# Altium PCB CU-ON-OFF-V2-08-11-18.PcbDoc (part 13 of 14)
Units mm, origin at the board's own origin, x right, y up, seen from the top; angles counter-clockwise.
Board outline 213 x 122.62 mm, 2 copper layers (Top Layer, Bottom Layer); 304 components, 53 nets, 991 pads, 702 vias.
Unrouted connection lines stored in the file: 1.
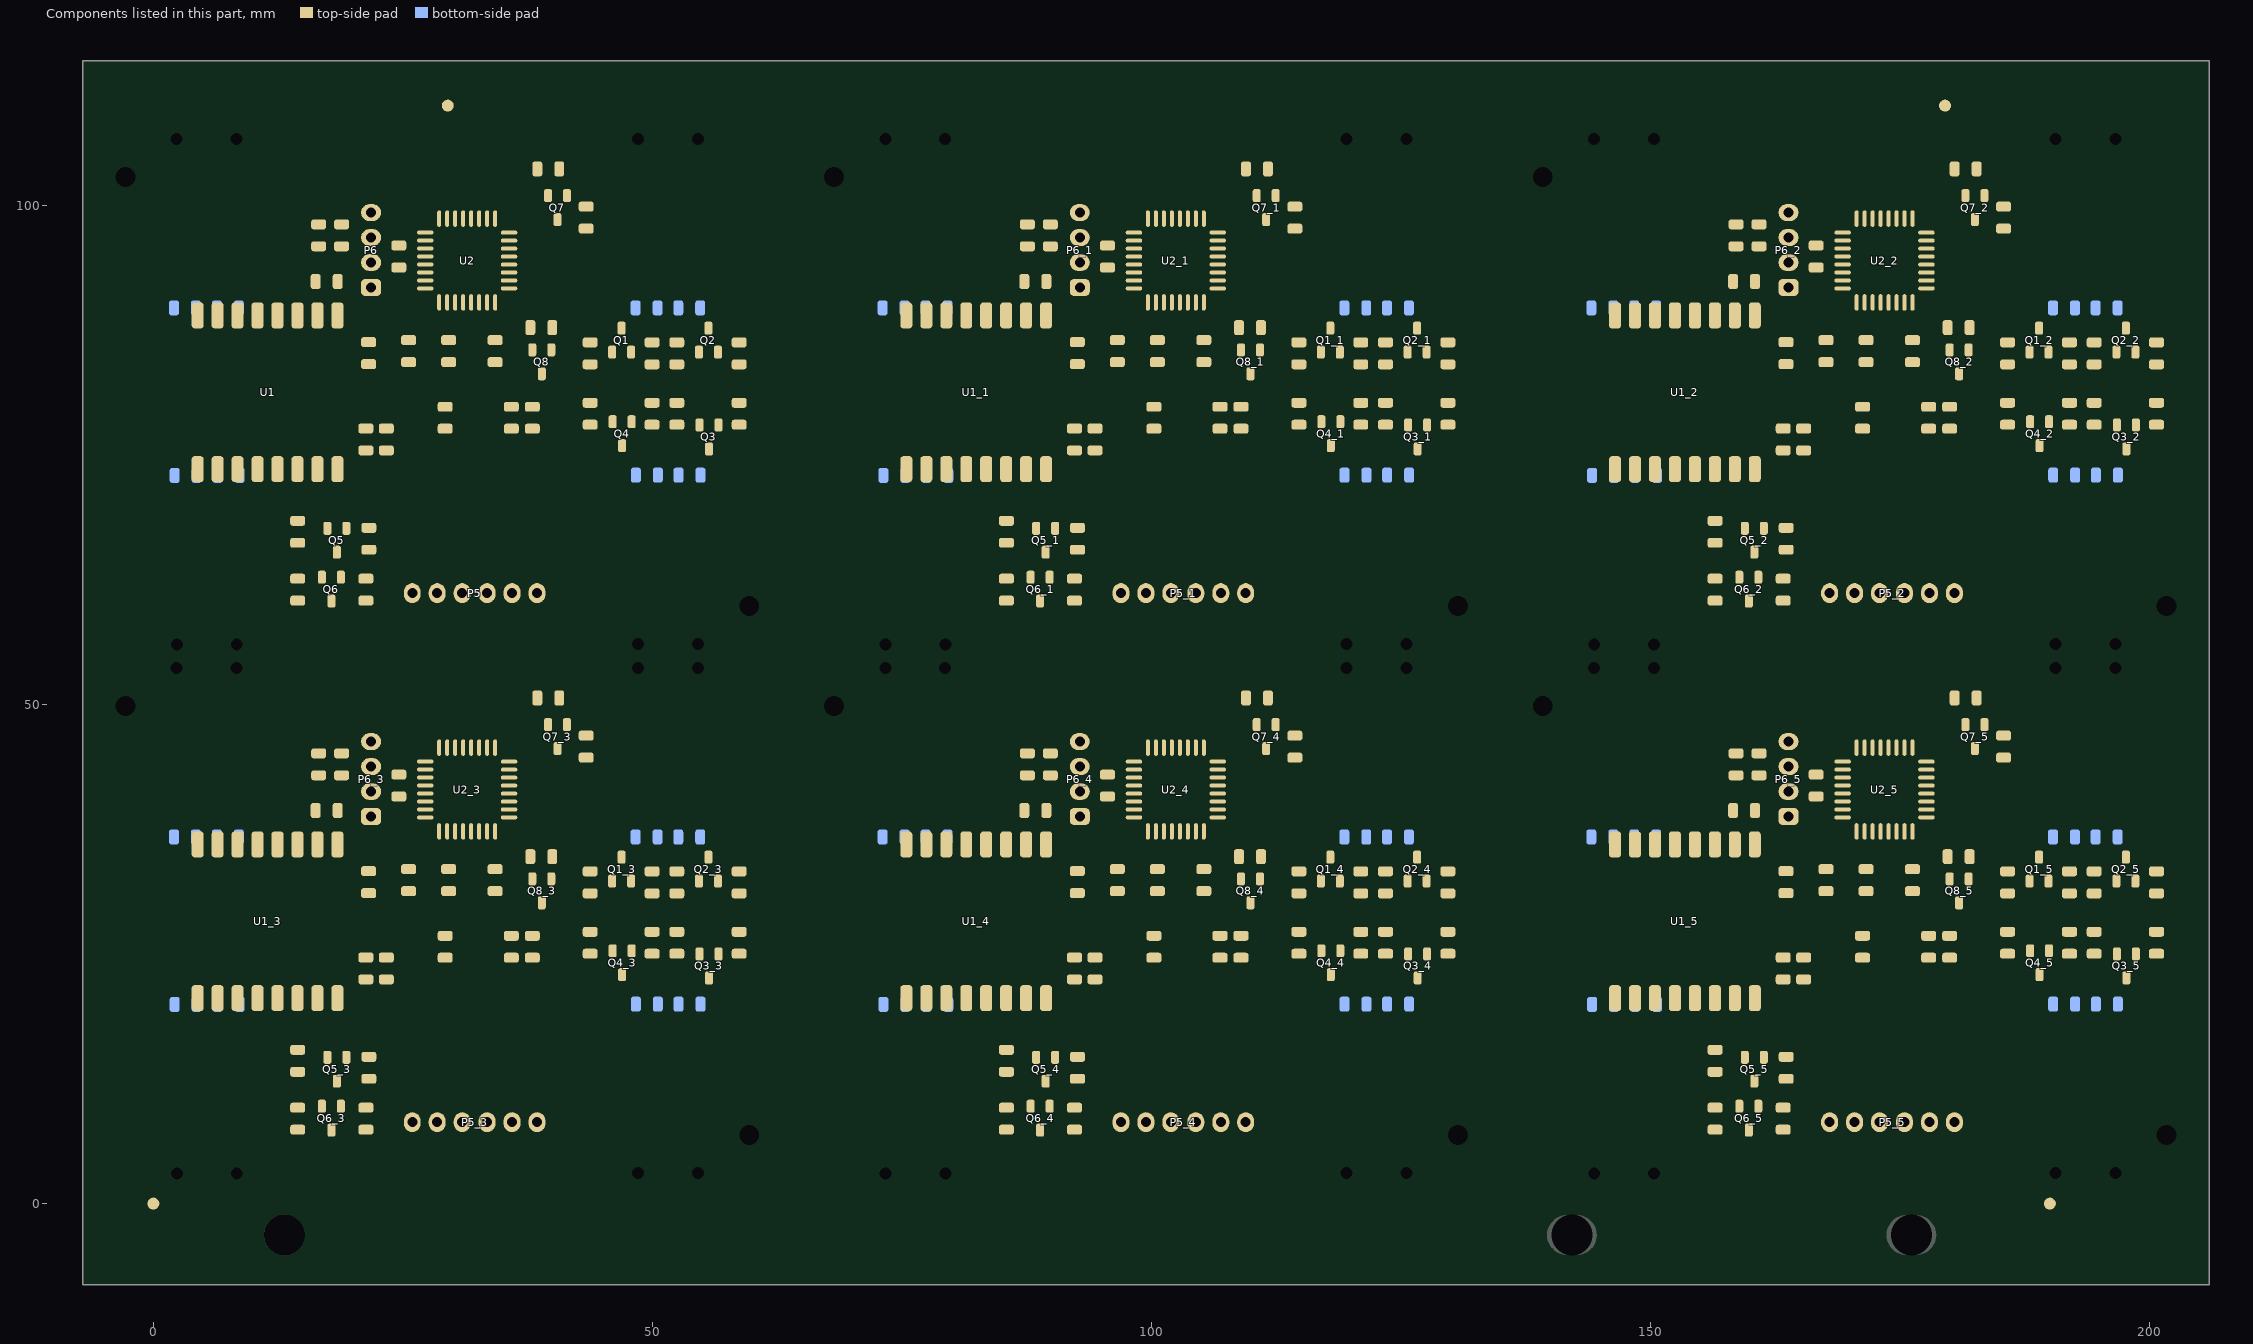
[diagram p13: the components of this part, seen from the top]

## Via types
v1: diameter 0.8, hole 0.5, Top Layer to Bottom Layer, 702 vias

## Nets (pads, with @x,y where several pads share a name; then routed paths per layer and width w, separated by ;. In a path a pad name is that pad's centre, name@x,y a point inside that pad or via, vN(x,y) a via of type N, cw(c..) or ccw(c..) an arc to the next point about the centre after c; other vN are vias at no path point) (continued)
copper on no net: (continued)
  Bottom Layer w6.6: 7.428,45.85 ccw(c5.333,45.85) 7.428,45.85 ; 7.428,98.849 ccw(c5.333,98.849) 7.428,98.849 ; 7.453,10.825 ccw(c5.358,10.825) 7.453,10.825 ; 7.453,63.824 ccw(c5.358,63.824) 7.453,63.824 ; 53.653,10.85 ccw(c51.558,10.85) 53.653,10.85 ; 53.653,45.85 ccw(c51.558,45.85) 53.653,45.85 ; 53.653,63.849 ccw(c51.558,63.849) 53.653,63.849 ; 53.653,98.849 ccw(c51.558,98.849) 53.653,98.849 ; 78.428,45.85 ccw(c76.333,45.85) 78.428,45.85 ; 78.428,98.849 ccw(c76.333,98.849) 78.428,98.849 ; 78.453,10.825 ccw(c76.358,10.825) 78.453,10.825 ; 78.453,63.824 ccw(c76.358,63.824) 78.453,63.824 ; 124.653,10.85 ccw(c122.558,10.85) 124.653,10.85 ; 124.653,45.85 ccw(c122.558,45.85) 124.653,45.85 ; 124.653,63.849 ccw(c122.558,63.849) 124.653,63.849 ; 124.653,98.849 ccw(c122.558,98.849) 124.653,98.849 ; 149.428,45.85 ccw(c147.333,45.85) 149.428,45.85 ; 149.428,98.849 ccw(c147.333,98.849) 149.428,98.849 ; 149.453,10.825 ccw(c147.358,10.825) 149.453,10.825 ; 149.453,63.824 ccw(c147.358,63.824) 149.453,63.824 ; 195.653,10.85 ccw(c193.558,10.85) 195.653,10.85 ; 195.653,45.85 ccw(c193.558,45.85) 195.653,45.85 ; 195.653,63.849 ccw(c193.558,63.849) 195.653,63.849 ; 195.653,98.849 ccw(c193.558,98.849) 195.653,98.849
  other v1: 11.558,6.225 82.558,6.225 153.558,6.225 -2.117,10 59.233,10 68.883,10 130.233,10 139.883,10 201.233,10 59.083,12.35 130.083,12.35 201.083,12.35 50.283,14.875 121.283,14.875 192.283,14.875 -0.867,15.375 70.133,15.375 141.133,15.375 56.708,16.55 127.708,16.55 198.708,16.55 21.091,19.607 21.866,19.607 92.091,19.607 92.866,19.607 163.091,19.607 163.866,19.607 0.858,39.6 71.858,39.6 142.858,39.6 46.883,39.75 117.883,39.75 188.883,39.75 57.108,40.575 128.108,40.575 199.108,40.575 10.983,40.75 81.983,40.75 152.983,40.75 -2.017,43.675 68.983,43.675 139.983,43.675 11.558,59.224 82.558,59.224 153.558,59.224 -2.117,62.999 59.233,62.999 68.883,62.999 130.233,62.999 139.883,62.999 201.233,62.999 59.083,65.349 130.083,65.349 201.083,65.349 121.283,67.874 192.283,67.874 -0.867,68.374 70.133,68.374 141.133,68.374 56.708,69.549 127.708,69.549 198.708,69.549 92.091,72.606 92.866,72.606 163.091,72.606 163.866,72.606 0.858,92.599 71.858,92.599 142.858,92.599 46.883,92.749 117.883,92.749 188.883,92.749 57.108,93.574 128.108,93.574 199.108,93.574 10.983,93.749 81.983,93.749 152.983,93.749 -2.017,96.674 68.983,96.674 139.983,96.674

## Polygon pours and split planes (outlines as drawn)
no net on Top Layer "Top Layer-No Net" (hatched 90Degree grid 1.6 track 0.25, pour order 48): 142.542,4.472 140.491,6.657 139.466,9.507 139.491,12.557 140.641,15.257 141.941,16.732 144.291,18.257 146.966,18.932 150.216,18.407 152.429,17.048 153.756,15.664 154.866,13.657 154.866,8.007 153.891,6.207 152.168,4.462
no net on Top Layer "Top Layer-No Net" (hatched 90Degree grid 1.6 track 0.25, pour order 54): 35 vertices, not listed, extent 185.541,4.529 201.541,18.932
no net on Top Layer "Top Layer-No Net" (hatched 90Degree grid 1.6 track 0.25, pour order 60): 24 vertices, not listed, extent 185.616,37.832 201.566,52.171
no net on Top Layer "Top Layer-No Net" (hatched 90Degree grid 1.6 track 0.25, pour order 66): 33 vertices, not listed, extent 139.366,37.782 155.341,52.171
no net on Top Layer "Top Layer-No Net" (solid, pour order 72): 71 vertices, not listed, extent 137.441,4.357 203.416,20.682
no net on Top Layer "Top Layer-No Net" (solid, pour order 78): 63 vertices, not listed, extent 137.441,33.857 203.441,52.357
no net on Top Layer "Top Layer-No Net" (hatched 90Degree grid 1.6 track 0.25, pour order 48): 71.542,4.472 69.491,6.657 68.466,9.507 68.491,12.557 69.641,15.257 70.941,16.732 73.291,18.257 75.966,18.932 79.216,18.407 81.429,17.048 82.756,15.664 83.866,13.657 83.866,8.007 82.891,6.207 81.168,4.462
no net on Top Layer "Top Layer-No Net" (hatched 90Degree grid 1.6 track 0.25, pour order 54): 35 vertices, not listed, extent 114.541,4.529 130.541,18.932
no net on Top Layer "Top Layer-No Net" (hatched 90Degree grid 1.6 track 0.25, pour order 60): 24 vertices, not listed, extent 114.616,37.832 130.566,52.171
no net on Top Layer "Top Layer-No Net" (hatched 90Degree grid 1.6 track 0.25, pour order 66): 33 vertices, not listed, extent 68.366,37.782 84.341,52.171
no net on Top Layer "Top Layer-No Net" (solid, pour order 72): 71 vertices, not listed, extent 66.441,4.357 132.416,20.682
no net on Top Layer "Top Layer-No Net" (solid, pour order 78): 63 vertices, not listed, extent 66.441,33.857 132.441,52.357
no net on Top Layer "Top Layer-No Net" (hatched 90Degree grid 1.6 track 0.25, pour order 48): 0.542,4.472 -1.509,6.657 -2.534,9.507 -2.509,12.557 -1.359,15.257 -0.059,16.732 2.291,18.257 4.966,18.932 8.216,18.407 10.429,17.048 11.756,15.664 12.866,13.657 12.866,8.007 11.891,6.207 10.168,4.462
no net on Top Layer "Top Layer-No Net" (hatched 90Degree grid 1.6 track 0.25, pour order 54): 35 vertices, not listed, extent 43.541,4.529 59.541,18.932
no net on Top Layer "Top Layer-No Net" (hatched 90Degree grid 1.6 track 0.25, pour order 60): 24 vertices, not listed, extent 43.616,37.832 59.566,52.171
no net on Top Layer "Top Layer-No Net" (hatched 90Degree grid 1.6 track 0.25, pour order 66): 33 vertices, not listed, extent -2.634,37.782 13.341,52.171
no net on Top Layer "Top Layer-No Net" (solid, pour order 72): 71 vertices, not listed, extent -4.559,4.357 61.416,20.682
no net on Top Layer "Top Layer-No Net" (solid, pour order 78): 63 vertices, not listed, extent -4.559,33.857 61.441,52.357
no net on Top Layer "Top Layer-No Net" (hatched 90Degree grid 1.6 track 0.25, pour order 48): 142.542,57.471 140.491,59.656 139.466,62.506 139.491,65.556 140.641,68.256 141.941,69.731 144.291,71.256 146.966,71.931 150.216,71.406 152.429,70.047 153.756,68.663 154.866,66.656 154.866,61.006 153.891,59.206 152.168,57.461
no net on Top Layer "Top Layer-No Net" (hatched 90Degree grid 1.6 track 0.25, pour order 54): 35 vertices, not listed, extent 185.541,57.528 201.541,71.931
no net on Top Layer "Top Layer-No Net" (hatched 90Degree grid 1.6 track 0.25, pour order 60): 24 vertices, not listed, extent 185.616,90.831 201.566,105.17
no net on Top Layer "Top Layer-No Net" (hatched 90Degree grid 1.6 track 0.25, pour order 66): 33 vertices, not listed, extent 139.366,90.781 155.341,105.17
no net on Top Layer "Top Layer-No Net" (solid, pour order 72): 71 vertices, not listed, extent 137.441,57.356 203.416,73.681
no net on Top Layer "Top Layer-No Net" (solid, pour order 78): 63 vertices, not listed, extent 137.441,86.856 203.441,105.356
no net on Top Layer "Top Layer-No Net" (hatched 90Degree grid 1.6 track 0.25, pour order 48): 71.542,57.471 69.491,59.656 68.466,62.506 68.491,65.556 69.641,68.256 70.941,69.731 73.291,71.256 75.966,71.931 79.216,71.406 81.429,70.047 82.756,68.663 83.866,66.656 83.866,61.006 82.891,59.206 81.168,57.461
no net on Top Layer "Top Layer-No Net" (hatched 90Degree grid 1.6 track 0.25, pour order 54): 35 vertices, not listed, extent 114.541,57.528 130.541,71.931
no net on Top Layer "Top Layer-No Net" (hatched 90Degree grid 1.6 track 0.25, pour order 60): 24 vertices, not listed, extent 114.616,90.831 130.566,105.17
no net on Top Layer "Top Layer-No Net" (hatched 90Degree grid 1.6 track 0.25, pour order 66): 33 vertices, not listed, extent 68.366,90.781 84.341,105.17
no net on Top Layer "Top Layer-No Net" (solid, pour order 72): 71 vertices, not listed, extent 66.441,57.356 132.416,73.681
no net on Top Layer "Top Layer-No Net" (solid, pour order 78): 63 vertices, not listed, extent 66.441,86.856 132.441,105.356
GND on Top Layer "Top Layer-No Net" (solid, pour order 78): 63 vertices, not listed, extent -4.559,86.856 61.441,105.356
GND on Top Layer "Top Layer-No Net" (solid, pour order 72): 71 vertices, not listed, extent -4.559,57.356 61.416,73.681
GND on Top Layer "Top Layer-No Net" (hatched 90Degree grid 1.6 track 0.25, pour order 66): 33 vertices, not listed, extent -2.634,90.781 13.341,105.17
GND on Top Layer "Top Layer-No Net" (hatched 90Degree grid 1.6 track 0.25, pour order 60): 24 vertices, not listed, extent 43.616,90.831 59.566,105.17
GND on Top Layer "Top Layer-No Net" (hatched 90Degree grid 1.6 track 0.25, pour order 54): 35 vertices, not listed, extent 43.541,57.528 59.541,71.931
GND on Top Layer "Top Layer-No Net" (hatched 90Degree grid 1.6 track 0.25, pour order 48): 0.542,57.471 -1.509,59.656 -2.534,62.506 -2.509,65.556 -1.359,68.256 -0.059,69.731 2.291,71.256 4.966,71.931 8.216,71.406 10.429,70.047 11.756,68.663 12.866,66.656 12.866,61.006 11.891,59.206 10.168,57.461
no net on Bottom Layer "Top Layer-No Net" (hatched 90Degree grid 1.6 track 0.25, pour order 84): 126 vertices, not listed, extent 137.441,4.357 203.441,52.357
no net on Bottom Layer "Top Layer-No Net" (hatched 90Degree grid 1.6 track 0.25, pour order 84): 126 vertices, not listed, extent 66.441,4.357 132.441,52.357
no net on Bottom Layer "Top Layer-No Net" (hatched 90Degree grid 1.6 track 0.25, pour order 84): 126 vertices, not listed, extent -4.559,4.357 61.441,52.357
no net on Bottom Layer "Top Layer-No Net" (hatched 90Degree grid 1.6 track 0.25, pour order 84): 126 vertices, not listed, extent 137.441,57.356 203.441,105.356
no net on Bottom Layer "Top Layer-No Net" (hatched 90Degree grid 1.6 track 0.25, pour order 84): 126 vertices, not listed, extent 66.441,57.356 132.441,105.356
GND on Bottom Layer "Top Layer-No Net" (hatched 90Degree grid 1.6 track 0.25, pour order 84): 126 vertices, not listed, extent -4.559,57.356 61.441,105.356

## Keep-outs
Keep-Out Layer:
  lines w0.2: -7.05,1.851 63.95,1.851 ; -7.05,1.851 -7.05,54.85 ; -7.05,1.851 -7.05,-8.149 205.95,-8.149 205.95,1.851 ; -7.05,54.85 63.95,54.85 ; -7.05,54.85 -7.05,107.849 ; -7.05,107.849 -7.05,114.474 205.95,114.474 205.95,107.849 ; -7.05,107.849 63.95,107.849 ; 63.95,1.851 134.95,1.851 ; 63.95,1.851 63.95,54.85 ; 63.95,54.85 134.95,54.85 ; 63.95,54.85 63.95,107.849 ; 63.95,107.849 134.95,107.849 ; 134.95,1.851 205.95,1.851 ; 134.95,1.851 134.95,54.85 ; 134.95,54.85 205.95,54.85 ; 134.95,54.85 134.95,107.849 ; 134.95,107.849 205.95,107.849 ; 205.95,1.851 205.95,54.85 ; 205.95,54.85 205.95,107.849

## Other copper
Top Layer:
  region: 177.641,38.682 178.331,38.682 cw(c178.331,38.597) 178.391,38.657 cw(c177.968,38.235) 178.566,38.235 178.566,37.758 177.879,37.758 ccw(c177.879,37.669) 177.816,37.732 177.606,37.942 cw(c178.246,38.582) 177.341,38.582
  region: 159.541,16.132 ccw(c159.662,16.011) 159.491,16.011 159.491,14.457 158.332,14.457 cw(c158.332,14.798) 158.091,14.557 158.591,15.857 159.315,16.157
  region: 166.133,44.925 167.184,44.925 167.191,44.932 167.241,44.882 167.241,43.032 165.889,43.032 165.841,42.984
  region: 168.691,47.182 168.741,47.132 170.116,47.132 170.641,46.607 170.616,46.582 170.616,45.057 170.416,45.057 168.666,46.807
  region: 168.676,45.082 168.676,44.372 168.841,44.207 168.916,44.282 169.841,44.282 169.112,45.011
  region: 167.866,42.757 167.791,42.682 167.791,42.307 168.016,42.307 168.441,41.882 168.491,41.932 169.841,41.932 169.841,42.682
  region: 176.291,47.507 176.366,47.432 177.241,47.432 177.241,46.107 177.291,46.057 176.291,45.057 176.241,45.057
  region: 178.541,45.732 179.349,45.732 179.616,45.466 179.591,45.441 179.591,44.407 179.414,44.407 179.289,44.282 177.066,44.282
  region: 176.241,37.932 176.241,35.807 177.616,34.507 179.841,34.407 179.639,35.307 177.866,35.357 176.916,36.307 176.816,37.357
  region: 175.466,34.907 175.441,33.463 176.516,33.457 176.241,34.407
  region: 170.641,37.832 166.366,33.632 168.091,33.732 170.641,36.257
  region: 168.616,38.632 169.866,38.657 169.76,38.401 168.566,37.307
  region: 172.266,34.957 171.841,34.932 170.257,33.298 172.166,33.232
  region: 183.341,48.507 185.066,48.432 185.816,47.882 185.966,46.532 184.791,46.482 184.741,47.107 184.104,47.532 183.291,47.532
  region: 184.591,44.482 182.291,41.882 183.241,42.032 185.891,44.382
  region: 185.216,31.257 185.241,30.132 185.768,29.882 187.441,29.832 187.741,30.132 187.666,30.407 187.007,30.457 186.51,30.663 186.316,31.132
  region: 191.416,31.107 192.516,31.007 192.666,29.1 191.166,29.032
  region: 193.816,29.1 195.541,29.1 194.991,28.516 194.991,27.407 193.891,27.382
  region: 177.341,24.232 178.591,24.207 178.541,8.357 177.241,8.457
  region: 159.466,12.907 160.416,12.907 160.416,11.682 160.266,11.532 159.466,11.532
  region: 154.866,7.832 156.866,7.832 157.141,7.557 157.141,6.082 155.616,6.082 154.866,6.832
  region: 159.699,7.498 158.619,7.7 158.641,6.632 159.691,6.632
  region: 164.266,10.907 163.091,10.732 162.741,10.216 162.716,9.782 163.816,9.832
  region: 200.166,31.032 200.066,29.757 199.641,29.157 199.666,29.007 200.791,29.1 201.291,28.807 201.705,28.794 201.825,29.048 201.825,30.993
  region: 202.829,33.882 202.829,20.405 202.65,20.226 202.36,20.516 202.36,33.707 202.186,33.881
  region: 202.659,24.07 198.95,20.361 198.95,19.971 202.105,19.971 202.505,20.371
  region: 184.34,52.291 184.37,52.261 185.46,52.261 186.176,51.545 186.142,51.511 184.88,51.511 184.27,52.121
  region: 174.13,52.311 174.167,52.274 174.167,51.964 174.67,51.461 178.07,51.461 178.07,51.671 178.518,52.12 178.49,52.148 178.49,52.331
  region: 106.641,38.682 107.331,38.682 cw(c107.331,38.597) 107.391,38.657 cw(c106.968,38.235) 107.566,38.235 107.566,37.758 106.879,37.758 ccw(c106.879,37.669) 106.816,37.732 106.606,37.942 cw(c107.246,38.582) 106.341,38.582
  region: 88.541,16.132 ccw(c88.662,16.011) 88.491,16.011 88.491,14.457 87.332,14.457 cw(c87.332,14.798) 87.091,14.557 87.591,15.857 88.315,16.157
  region: 95.133,44.925 96.184,44.925 96.191,44.932 96.241,44.882 96.241,43.032 94.889,43.032 94.841,42.984
  region: 97.691,47.182 97.741,47.132 99.116,47.132 99.641,46.607 99.616,46.582 99.616,45.057 99.416,45.057 97.666,46.807
  region: 97.676,45.082 97.676,44.372 97.841,44.207 97.916,44.282 98.841,44.282 98.112,45.011
  region: 96.866,42.757 96.791,42.682 96.791,42.307 97.016,42.307 97.441,41.882 97.491,41.932 98.841,41.932 98.841,42.682
  region: 105.291,47.507 105.366,47.432 106.241,47.432 106.241,46.107 106.291,46.057 105.291,45.057 105.241,45.057
  region: 107.541,45.732 108.35,45.732 108.616,45.466 108.591,45.441 108.591,44.407 108.414,44.407 108.289,44.282 106.066,44.282
  region: 105.241,37.932 105.241,35.807 106.616,34.507 108.841,34.407 108.639,35.307 106.866,35.357 105.916,36.307 105.816,37.357
  region: 104.466,34.907 104.441,33.463 105.516,33.457 105.241,34.407
  region: 99.641,37.832 95.366,33.632 97.091,33.732 99.641,36.257
  region: 97.616,38.632 98.866,38.657 98.76,38.401 97.566,37.307
  region: 101.266,34.957 100.841,34.932 99.257,33.298 101.166,33.232
  region: 112.341,48.507 114.066,48.432 114.816,47.882 114.966,46.532 113.791,46.482 113.741,47.107 113.104,47.532 112.291,47.532
  region: 113.591,44.482 111.291,41.882 112.241,42.032 114.891,44.382
  region: 114.216,31.257 114.241,30.132 114.768,29.882 116.441,29.832 116.741,30.132 116.666,30.407 116.007,30.457 115.51,30.663 115.316,31.132
  region: 120.416,31.107 121.516,31.007 121.666,29.1 120.166,29.032
  region: 122.816,29.1 124.541,29.1 123.991,28.516 123.991,27.407 122.891,27.382
  region: 106.341,24.232 107.591,24.207 107.541,8.357 106.241,8.457
  region: 88.466,12.907 89.416,12.907 89.416,11.682 89.266,11.532 88.466,11.532
  region: 83.866,7.832 85.866,7.832 86.141,7.557 86.141,6.082 84.616,6.082 83.866,6.832
  region: 88.7,7.498 87.619,7.7 87.641,6.632 88.691,6.632
  region: 93.266,10.907 92.091,10.732 91.741,10.216 91.716,9.782 92.816,9.832
  region: 129.166,31.032 129.066,29.757 128.641,29.157 128.666,29.007 129.791,29.1 130.291,28.807 130.705,28.794 130.825,29.048 130.825,30.993
  region: 131.829,33.882 131.829,20.405 131.65,20.226 131.36,20.516 131.36,33.707 131.186,33.881
  region: 131.659,24.07 127.95,20.361 127.95,19.971 131.105,19.971 131.505,20.371
  region: 113.34,52.291 113.37,52.261 114.46,52.261 115.176,51.545 115.142,51.511 113.88,51.511 113.27,52.121
  region: 103.13,52.311 103.167,52.274 103.167,51.964 103.67,51.461 107.07,51.461 107.07,51.671 107.519,52.12 107.49,52.148 107.49,52.331
  region: 35.641,38.682 36.331,38.682 cw(c36.331,38.597) 36.391,38.657 cw(c35.968,38.235) 36.566,38.235 36.566,37.758 35.879,37.758 ccw(c35.879,37.669) 35.816,37.732 35.606,37.942 cw(c36.246,38.582) 35.341,38.582
  region: 17.541,16.132 ccw(c17.662,16.011) 17.491,16.011 17.491,14.457 16.332,14.457 cw(c16.332,14.798) 16.091,14.557 16.591,15.857 17.315,16.157
  region: 24.133,44.925 25.184,44.925 25.191,44.932 25.241,44.882 25.241,43.032 23.889,43.032 23.841,42.984
  region: 26.691,47.182 26.741,47.132 28.116,47.132 28.641,46.607 28.616,46.582 28.616,45.057 28.416,45.057 26.666,46.807
  region: 26.676,45.082 26.676,44.372 26.841,44.207 26.916,44.282 27.841,44.282 27.112,45.011
  region: 25.866,42.757 25.791,42.682 25.791,42.307 26.016,42.307 26.441,41.882 26.491,41.932 27.841,41.932 27.841,42.682
  region: 34.291,47.507 34.366,47.432 35.241,47.432 35.241,46.107 35.291,46.057 34.291,45.057 34.241,45.057
  region: 36.541,45.732 37.35,45.732 37.616,45.466 37.591,45.441 37.591,44.407 37.414,44.407 37.289,44.282 35.066,44.282
  region: 34.241,37.932 34.241,35.807 35.616,34.507 37.841,34.407 37.639,35.307 35.866,35.357 34.916,36.307 34.816,37.357
  region: 33.466,34.907 33.441,33.463 34.516,33.457 34.241,34.407
  region: 28.641,37.832 24.366,33.632 26.091,33.732 28.641,36.257
  region: 26.616,38.632 27.866,38.657 27.76,38.401 26.566,37.307
  region: 30.266,34.957 29.841,34.932 28.257,33.298 30.166,33.232
  region: 41.341,48.507 43.066,48.432 43.816,47.882 43.966,46.532 42.791,46.482 42.741,47.107 42.104,47.532 41.291,47.532
  region: 42.591,44.482 40.291,41.882 41.241,42.032 43.891,44.382
  region: 43.216,31.257 43.241,30.132 43.768,29.882 45.441,29.832 45.741,30.132 45.666,30.407 45.007,30.457 44.51,30.663 44.316,31.132
  region: 49.416,31.107 50.516,31.007 50.666,29.1 49.166,29.032
  region: 51.816,29.1 53.541,29.1 52.991,28.516 52.991,27.407 51.891,27.382
  region: 35.341,24.232 36.591,24.207 36.541,8.357 35.241,8.457
  region: 17.466,12.907 18.416,12.907 18.416,11.682 18.266,11.532 17.466,11.532
  region: 12.866,7.832 14.866,7.832 15.141,7.557 15.141,6.082 13.616,6.082 12.866,6.832
  region: 17.7,7.498 16.619,7.7 16.641,6.632 17.691,6.632
  region: 22.266,10.907 21.091,10.732 20.741,10.216 20.716,9.782 21.816,9.832
  region: 58.166,31.032 58.066,29.757 57.641,29.157 57.666,29.007 58.791,29.1 59.291,28.807 59.705,28.794 59.825,29.048 59.825,30.993
  region: 60.829,33.882 60.829,20.405 60.65,20.226 60.36,20.516 60.36,33.707 60.186,33.881
  region: 60.659,24.07 56.95,20.361 56.95,19.971 60.105,19.971 60.505,20.371
  region: 42.34,52.291 42.37,52.261 43.46,52.261 44.176,51.545 44.142,51.511 42.88,51.511 42.27,52.121
  region: 32.13,52.311 32.167,52.274 32.167,51.964 32.67,51.461 36.07,51.461 36.07,51.671 36.519,52.12 36.49,52.148 36.49,52.331
  region: 177.641,91.681 178.331,91.681 cw(c178.331,91.596) 178.391,91.656 cw(c177.968,91.234) 178.566,91.234 178.566,90.757 177.879,90.757 ccw(c177.879,90.668) 177.816,90.731 177.606,90.941 cw(c178.246,91.581) 177.341,91.581
  region: 159.541,69.131 ccw(c159.662,69.01) 159.491,69.01 159.491,67.456 158.332,67.456 cw(c158.332,67.797) 158.091,67.556 158.591,68.856 159.315,69.156
  region: 166.133,97.924 167.184,97.924 167.191,97.931 167.241,97.881 167.241,96.031 165.889,96.031 165.841,95.983
  region: 168.691,100.181 168.741,100.131 170.116,100.131 170.641,99.606 170.616,99.581 170.616,98.056 170.416,98.056 168.666,99.806
  region: 168.676,98.081 168.676,97.371 168.841,97.206 168.916,97.281 169.841,97.281 169.112,98.01
  region: 167.866,95.756 167.791,95.681 167.791,95.306 168.016,95.306 168.441,94.881 168.491,94.931 169.841,94.931 169.841,95.681
  region: 176.291,100.506 176.366,100.431 177.241,100.431 177.241,99.106 177.291,99.056 176.291,98.056 176.241,98.056
  region: 178.541,98.731 179.349,98.731 179.616,98.465 179.591,98.44 179.591,97.406 179.414,97.406 179.289,97.281 177.066,97.281
  region: 176.241,90.931 176.241,88.806 177.616,87.506 179.841,87.406 179.639,88.306 177.866,88.356 176.916,89.306 176.816,90.356
  region: 175.466,87.906 175.441,86.462 176.516,86.456 176.241,87.406
  region: 170.641,90.831 166.366,86.631 168.091,86.731 170.641,89.256
  region: 168.616,91.631 169.866,91.656 169.76,91.4 168.566,90.306
  region: 172.266,87.956 171.841,87.931 170.257,86.297 172.166,86.231
  region: 183.341,101.506 185.066,101.431 185.816,100.881 185.966,99.531 184.791,99.481 184.741,100.106 184.104,100.531 183.291,100.531
  region: 184.591,97.481 182.291,94.881 183.241,95.031 185.891,97.381
  region: 185.216,84.256 185.241,83.131 185.768,82.881 187.441,82.831 187.741,83.131 187.666,83.406 187.007,83.456 186.51,83.662 186.316,84.131
  region: 191.416,84.106 192.516,84.006 192.666,82.099 191.166,82.031
  region: 193.816,82.099 195.541,82.099 194.991,81.515 194.991,80.406 193.891,80.381
  region: 177.341,77.231 178.591,77.206 178.541,61.356 177.241,61.456
  region: 159.466,65.906 160.416,65.906 160.416,64.681 160.266,64.531 159.466,64.531
  region: 154.866,60.831 156.866,60.831 157.141,60.556 157.141,59.081 155.616,59.081 154.866,59.831
  region: 159.699,60.497 158.619,60.699 158.641,59.631 159.691,59.631
  region: 164.266,63.906 163.091,63.731 162.741,63.215 162.716,62.781 163.816,62.831
  region: 200.166,84.031 200.066,82.756 199.641,82.156 199.666,82.006 200.791,82.099 201.291,81.806 201.705,81.793 201.825,82.047 201.825,83.992
  region: 202.829,86.881 202.829,73.404 202.65,73.225 202.36,73.515 202.36,86.706 202.186,86.88
  region: 202.659,77.069 198.95,73.36 198.95,72.97 202.105,72.97 202.505,73.37
  region: 184.34,105.29 184.37,105.26 185.46,105.26 186.176,104.544 186.142,104.51 184.88,104.51 184.27,105.12
  region: 174.13,105.31 174.167,105.273 174.167,104.963 174.67,104.46 178.07,104.46 178.07,104.67 178.518,105.119 178.49,105.147 178.49,105.33
  region: 106.641,91.681 107.331,91.681 cw(c107.331,91.596) 107.391,91.656 cw(c106.968,91.234) 107.566,91.234 107.566,90.757 106.879,90.757 ccw(c106.879,90.668) 106.816,90.731 106.606,90.941 cw(c107.246,91.581) 106.341,91.581
  region: 88.541,69.131 ccw(c88.662,69.01) 88.491,69.01 88.491,67.456 87.332,67.456 cw(c87.332,67.797) 87.091,67.556 87.591,68.856 88.315,69.156
  region: 95.133,97.924 96.184,97.924 96.191,97.931 96.241,97.881 96.241,96.031 94.889,96.031 94.841,95.983
  region: 97.691,100.181 97.741,100.131 99.116,100.131 99.641,99.606 99.616,99.581 99.616,98.056 99.416,98.056 97.666,99.806
  region: 97.676,98.081 97.676,97.371 97.841,97.206 97.916,97.281 98.841,97.281 98.112,98.01
  region: 96.866,95.756 96.791,95.681 96.791,95.306 97.016,95.306 97.441,94.881 97.491,94.931 98.841,94.931 98.841,95.681
  region: 105.291,100.506 105.366,100.431 106.241,100.431 106.241,99.106 106.291,99.056 105.291,98.056 105.241,98.056
  region: 107.541,98.731 108.35,98.731 108.616,98.465 108.591,98.44 108.591,97.406 108.414,97.406 108.289,97.281 106.066,97.281
  region: 105.241,90.931 105.241,88.806 106.616,87.506 108.841,87.406 108.639,88.306 106.866,88.356 105.916,89.306 105.816,90.356
  region: 104.466,87.906 104.441,86.462 105.516,86.456 105.241,87.406
  region: 99.641,90.831 95.366,86.631 97.091,86.731 99.641,89.256
  region: 97.616,91.631 98.866,91.656 98.76,91.4 97.566,90.306
  region: 101.266,87.956 100.841,87.931 99.257,86.297 101.166,86.231
  region: 112.341,101.506 114.066,101.431 114.816,100.881 114.966,99.531 113.791,99.481 113.741,100.106 113.104,100.531 112.291,100.531
  region: 113.591,97.481 111.291,94.881 112.241,95.031 114.891,97.381
  region: 114.216,84.256 114.241,83.131 114.768,82.881 116.441,82.831 116.741,83.131 116.666,83.406 116.007,83.456 115.51,83.662 115.316,84.131
  region: 120.416,84.106 121.516,84.006 121.666,82.099 120.166,82.031
  region: 122.816,82.099 124.541,82.099 123.991,81.515 123.991,80.406 122.891,80.381
  region: 106.341,77.231 107.591,77.206 107.541,61.356 106.241,61.456
  region: 88.466,65.906 89.416,65.906 89.416,64.681 89.266,64.531 88.466,64.531
  region: 83.866,60.831 85.866,60.831 86.141,60.556 86.141,59.081 84.616,59.081 83.866,59.831
  region: 88.7,60.497 87.619,60.699 87.641,59.631 88.691,59.631
  region: 93.266,63.906 92.091,63.731 91.741,63.215 91.716,62.781 92.816,62.831
  region: 129.166,84.031 129.066,82.756 128.641,82.156 128.666,82.006 129.791,82.099 130.291,81.806 130.705,81.793 130.825,82.047 130.825,83.992
  region: 131.829,86.881 131.829,73.404 131.65,73.225 131.36,73.515 131.36,86.706 131.186,86.88
  region: 131.659,77.069 127.95,73.36 127.95,72.97 131.105,72.97 131.505,73.37
  region: 113.34,105.29 113.37,105.26 114.46,105.26 115.176,104.544 115.142,104.51 113.88,104.51 113.27,105.12
  region: 103.13,105.31 103.167,105.273 103.167,104.963 103.67,104.46 107.07,104.46 107.07,104.67 107.519,105.119 107.49,105.147 107.49,105.33
  region net GND: 32.13,105.31 32.167,105.273 32.167,104.963 32.67,104.46 36.07,104.46 36.07,104.67 36.519,105.119 36.49,105.147 36.49,105.33
  region net GND: 42.34,105.29 42.37,105.26 43.46,105.26 44.176,104.544 44.142,104.51 42.88,104.51 42.27,105.12
  region net GND: 60.659,77.069 56.95,73.36 56.95,72.97 60.105,72.97 60.505,73.37
  region net GND: 60.829,86.881 60.829,73.404 60.65,73.225 60.36,73.515 60.36,86.706 60.186,86.88
  region net VCC: 58.166,84.031 58.066,82.756 57.641,82.156 57.666,82.006 58.791,82.099 59.291,81.806 59.705,81.793 59.825,82.047 59.825,83.992
  region net "LED D3": 22.266,63.906 21.091,63.731 20.741,63.215 20.716,62.781 21.816,62.831
  region net NetD6_2: 17.7,60.497 16.619,60.699 16.641,59.631 17.691,59.631
  region net VCC: 12.866,60.831 14.866,60.831 15.141,60.556 15.141,59.081 13.616,59.081 12.866,59.831
  region net NetD5_2: 17.466,65.906 18.416,65.906 18.416,64.681 18.266,64.531 17.466,64.531
  region net VCC: 35.341,77.231 36.591,77.206 36.541,61.356 35.241,61.456
  region net VCC: 51.816,82.099 53.541,82.099 52.991,81.515 52.991,80.406 51.891,80.381
  region net VCC: 49.416,84.106 50.516,84.006 50.666,82.099 49.166,82.031
  region net "LED D1": 43.216,84.256 43.241,83.131 43.768,82.881 45.441,82.831 45.741,83.131 45.666,83.406 45.007,83.456 44.51,83.662 44.316,84.131
  region net "LED D4": 42.591,97.481 40.291,94.881 41.241,95.031 43.891,97.381
  region net NetQ7_2: 41.341,101.506 43.066,101.431 43.816,100.881 43.966,99.531 42.791,99.481 42.741,100.106 42.104,100.531 41.291,100.531
  region net CT1: 30.266,87.956 29.841,87.931 28.257,86.297 30.166,86.231
  region net BT4: 26.616,91.631 27.866,91.656 27.76,91.4 26.566,90.306
  region net CT4: 28.641,90.831 24.366,86.631 26.091,86.731 28.641,89.256
  region net CT2: 33.466,87.906 33.441,86.462 34.516,86.456 34.241,87.406
  region net "LED X4": 34.241,90.931 34.241,88.806 35.616,87.506 37.841,87.406 37.639,88.306 35.866,88.356 34.916,89.306 34.816,90.356
  region: 36.541,98.731 37.35,98.731 37.616,98.465 37.591,98.44 37.591,97.406 37.414,97.406 37.289,97.281 35.066,97.281
  region: 34.291,100.506 34.366,100.431 35.241,100.431 35.241,99.106 35.291,99.056 34.291,98.056 34.241,98.056
  region net VCC: 25.866,95.756 25.791,95.681 25.791,95.306 26.016,95.306 26.441,94.881 26.491,94.931 27.841,94.931 27.841,95.681
  region: 26.676,98.081 26.676,97.371 26.841,97.206 26.916,97.281 27.841,97.281 27.112,98.01
  region net BKGD: 26.691,100.181 26.741,100.131 28.116,100.131 28.641,99.606 28.616,99.581 28.616,98.056 28.416,98.056 26.666,99.806
  region net VCC: 24.133,97.924 25.184,97.924 25.191,97.931 25.241,97.881 25.241,96.031 23.889,96.031 23.841,95.983
  region net GND: 17.541,69.131 ccw(c17.662,69.01) 17.491,69.01 17.491,67.456 16.332,67.456 cw(c16.332,67.797) 16.091,67.556 16.591,68.856 17.315,69.156
  region net "LED X1": 35.641,91.681 36.331,91.681 cw(c36.331,91.596) 36.391,91.656 cw(c35.968,91.234) 36.566,91.234 36.566,90.757 35.879,90.757 ccw(c35.879,90.668) 35.816,90.731 35.606,90.941 cw(c36.246,91.581) 35.341,91.581
Bottom Layer:
  region: 194.941,35.682 194.341,35.632 194.691,34.882 195.666,34.207 196.966,34.032 198.466,34.182 198.483,35.125 195.441,35.057
  region: 196.491,37.307 199.541,37.182 200.866,36.307 201.341,34.982 201.441,34.232 200.016,34.157 200.116,35.532 199.491,36.307 196.691,36.282
  region: 201.016,31.682 201.016,26.752 200.416,25.582 199.416,24.682 199.366,24.282 200.166,24.332 201.566,25.682 201.701,25.94 201.72,31.641
  region: 195.116,30.161 195.091,29.257 193.127,29.157 193.691,29.907
  region: 180.116,46.207 180.066,45.507 181.266,44.807 181.291,46.207
  region: 172.116,27.032 171.666,26.982 170.87,26.157 170.833,23.562 171.891,23.557 172.066,26.882
  region: 162.866,19.257 162.691,6.682 163.291,5.582 163.941,4.957 165.166,4.953 165.091,5.232 164.066,6.107 164.166,19.157
  region: 150.641,20.557 150.641,19.407 151.291,19.282 154.366,16.082 154.891,16.032 154.441,17.332 151.441,20.457
  region: 177.291,7.882 177.166,5.982 176.466,5.082 178.041,5.007 178.591,5.619 178.591,8.232 178.401,8.767 177.481,8.767 177.216,8.482
  region: 169.716,7.832 169.541,5.957 170.341,5.982 171.016,6.857 171.066,8.082 169.791,8.132
  region: 176.741,32.282 177.266,31.357 180.153,28.87 180.866,28.882 180.766,29.382 178.291,31.857
  region: 123.941,35.682 123.341,35.632 123.691,34.882 124.666,34.207 125.966,34.032 127.466,34.182 127.483,35.125 124.441,35.057
  region: 125.491,37.307 128.541,37.182 129.866,36.307 130.341,34.982 130.441,34.232 129.016,34.157 129.116,35.532 128.491,36.307 125.691,36.282
  region: 130.016,31.682 130.016,26.752 129.416,25.582 128.416,24.682 128.366,24.282 129.166,24.332 130.566,25.682 130.701,25.94 130.72,31.641
  region: 124.116,30.161 124.091,29.257 122.127,29.157 122.691,29.907
  region: 109.116,46.207 109.066,45.507 110.266,44.807 110.291,46.207
  region: 101.116,27.032 100.666,26.982 99.87,26.157 99.833,23.562 100.891,23.557 101.066,26.882
  region: 91.866,19.257 91.691,6.682 92.291,5.582 92.941,4.957 94.166,4.953 94.091,5.232 93.066,6.107 93.166,19.157
  region: 79.641,20.557 79.641,19.407 80.291,19.282 83.366,16.082 83.891,16.032 83.441,17.332 80.441,20.457
  region: 106.291,7.882 106.166,5.982 105.466,5.082 107.041,5.007 107.591,5.619 107.591,8.232 107.401,8.767 106.481,8.767 106.216,8.482
  region: 98.716,7.832 98.541,5.957 99.341,5.982 100.016,6.857 100.066,8.082 98.791,8.132
  region: 105.741,32.282 106.266,31.357 109.153,28.87 109.866,28.882 109.766,29.382 107.291,31.857
  region: 52.941,35.682 52.341,35.632 52.691,34.882 53.666,34.207 54.966,34.032 56.466,34.182 56.483,35.125 53.441,35.057
  region: 54.491,37.307 57.541,37.182 58.866,36.307 59.341,34.982 59.441,34.232 58.016,34.157 58.116,35.532 57.491,36.307 54.691,36.282
  region: 59.016,31.682 59.016,26.752 58.416,25.582 57.416,24.682 57.366,24.282 58.166,24.332 59.566,25.682 59.701,25.94 59.72,31.641
  region: 53.116,30.161 53.091,29.257 51.127,29.157 51.691,29.907
  region: 38.116,46.207 38.066,45.507 39.266,44.807 39.291,46.207
  region: 30.116,27.032 29.666,26.982 28.87,26.157 28.833,23.562 29.891,23.557 30.066,26.882
  region: 20.866,19.257 20.691,6.682 21.291,5.582 21.941,4.957 23.166,4.953 23.091,5.232 22.066,6.107 22.166,19.157
  region: 8.641,20.557 8.641,19.407 9.291,19.282 12.366,16.082 12.891,16.032 12.441,17.332 9.441,20.457
  region: 35.291,7.882 35.166,5.982 34.466,5.082 36.041,5.007 36.591,5.619 36.591,8.232 36.401,8.767 35.481,8.767 35.216,8.482
  region: 27.716,7.832 27.541,5.957 28.341,5.982 29.016,6.857 29.066,8.082 27.791,8.132
  region: 34.741,32.282 35.266,31.357 38.153,28.87 38.866,28.882 38.766,29.382 36.291,31.857
  region: 194.941,88.681 194.341,88.631 194.691,87.881 195.666,87.206 196.966,87.031 198.466,87.181 198.483,88.124 195.441,88.056
  region: 196.491,90.306 199.541,90.181 200.866,89.306 201.341,87.981 201.441,87.231 200.016,87.156 200.116,88.531 199.491,89.306 196.691,89.281
  region: 201.016,84.681 201.016,79.751 200.416,78.581 199.416,77.681 199.366,77.281 200.166,77.331 201.566,78.681 201.701,78.939 201.72,84.64
  region: 195.116,83.16 195.091,82.256 193.127,82.156 193.691,82.906
  region: 180.116,99.206 180.066,98.506 181.266,97.806 181.291,99.206
  region: 172.116,80.031 171.666,79.981 170.87,79.156 170.833,76.561 171.891,76.556 172.066,79.881
  region: 162.866,72.256 162.691,59.681 163.291,58.581 163.941,57.956 165.166,57.952 165.091,58.231 164.066,59.106 164.166,72.156
  region: 150.641,73.556 150.641,72.406 151.291,72.281 154.366,69.081 154.891,69.031 154.441,70.331 151.441,73.456
  region: 177.291,60.881 177.166,58.981 176.466,58.081 178.041,58.006 178.591,58.618 178.591,61.231 178.401,61.766 177.481,61.766 177.216,61.481
  region: 169.716,60.831 169.541,58.956 170.341,58.981 171.016,59.856 171.066,61.081 169.791,61.131
  region: 176.741,85.281 177.266,84.356 180.153,81.869 180.866,81.881 180.766,82.381 178.291,84.856
  region: 123.941,88.681 123.341,88.631 123.691,87.881 124.666,87.206 125.966,87.031 127.466,87.181 127.483,88.124 124.441,88.056
  region: 125.491,90.306 128.541,90.181 129.866,89.306 130.341,87.981 130.441,87.231 129.016,87.156 129.116,88.531 128.491,89.306 125.691,89.281
  region: 130.016,84.681 130.016,79.751 129.416,78.581 128.416,77.681 128.366,77.281 129.166,77.331 130.566,78.681 130.701,78.939 130.72,84.64
  region: 124.116,83.16 124.091,82.256 122.127,82.156 122.691,82.906
  region: 109.116,99.206 109.066,98.506 110.266,97.806 110.291,99.206
  region: 101.116,80.031 100.666,79.981 99.87,79.156 99.833,76.561 100.891,76.556 101.066,79.881
  region: 91.866,72.256 91.691,59.681 92.291,58.581 92.941,57.956 94.166,57.952 94.091,58.231 93.066,59.106 93.166,72.156
  region: 79.641,73.556 79.641,72.406 80.291,72.281 83.366,69.081 83.891,69.031 83.441,70.331 80.441,73.456
  region: 106.291,60.881 106.166,58.981 105.466,58.081 107.041,58.006 107.591,58.618 107.591,61.231 107.401,61.766 106.481,61.766 106.216,61.481
  region: 98.716,60.831 98.541,58.956 99.341,58.981 100.016,59.856 100.066,61.081 98.791,61.131
  region: 105.741,85.281 106.266,84.356 109.153,81.869 109.866,81.881 109.766,82.381 107.291,84.856
  region net NetD8_2: 34.741,85.281 35.266,84.356 38.153,81.869 38.866,81.881 38.766,82.381 36.291,84.856
  region net NetP5_2: 27.716,60.831 27.541,58.956 28.341,58.981 29.016,59.856 29.066,61.081 27.791,61.131
  region net VCC: 35.291,60.881 35.166,58.981 34.466,58.081 36.041,58.006 36.591,58.618 36.591,61.231 36.401,61.766 35.481,61.766 35.216,61.481
  region net NetD6_2: 8.641,73.556 8.641,72.406 9.291,72.281 12.366,69.081 12.891,69.031 12.441,70.331 9.441,73.456
  region net VCC: 20.866,72.256 20.691,59.681 21.291,58.581 21.941,57.956 23.166,57.952 23.091,58.231 22.066,59.106 22.166,72.156
  region net NetD8_1: 30.116,80.031 29.666,79.981 28.87,79.156 28.833,76.561 29.891,76.556 30.066,79.881
  region net NetD7_2: 38.116,99.206 38.066,98.506 39.266,97.806 39.291,99.206
  region net "LED X1": 53.116,83.16 53.091,82.256 51.127,82.156 51.691,82.906
  region net VCC: 59.016,84.681 59.016,79.751 58.416,78.581 57.416,77.681 57.366,77.281 58.166,77.331 59.566,78.681 59.701,78.939 59.72,84.64
  region net NetD2_1: 54.491,90.306 57.541,90.181 58.866,89.306 59.341,87.981 59.441,87.231 58.016,87.156 58.116,88.531 57.491,89.306 54.691,89.281
  region net NetD2_2: 52.941,88.681 52.341,88.631 52.691,87.881 53.666,87.206 54.966,87.031 56.466,87.181 56.483,88.124 53.441,88.056